# Altium PCB NG2093.PcbDoc (part 1 of 8)
Units mm, origin at the board's own origin, x right, y up, seen from the top; angles counter-clockwise.
Board outline 125 x 63 mm, 6 copper layers (Top Copper, Signal Layer 1, Signal Layer 2, Signal Layer 3, Signal Layer 4, Bottom Copper), stack 1.579 mm thick; 379 components, 295 nets, 1557 pads, 1142 vias.
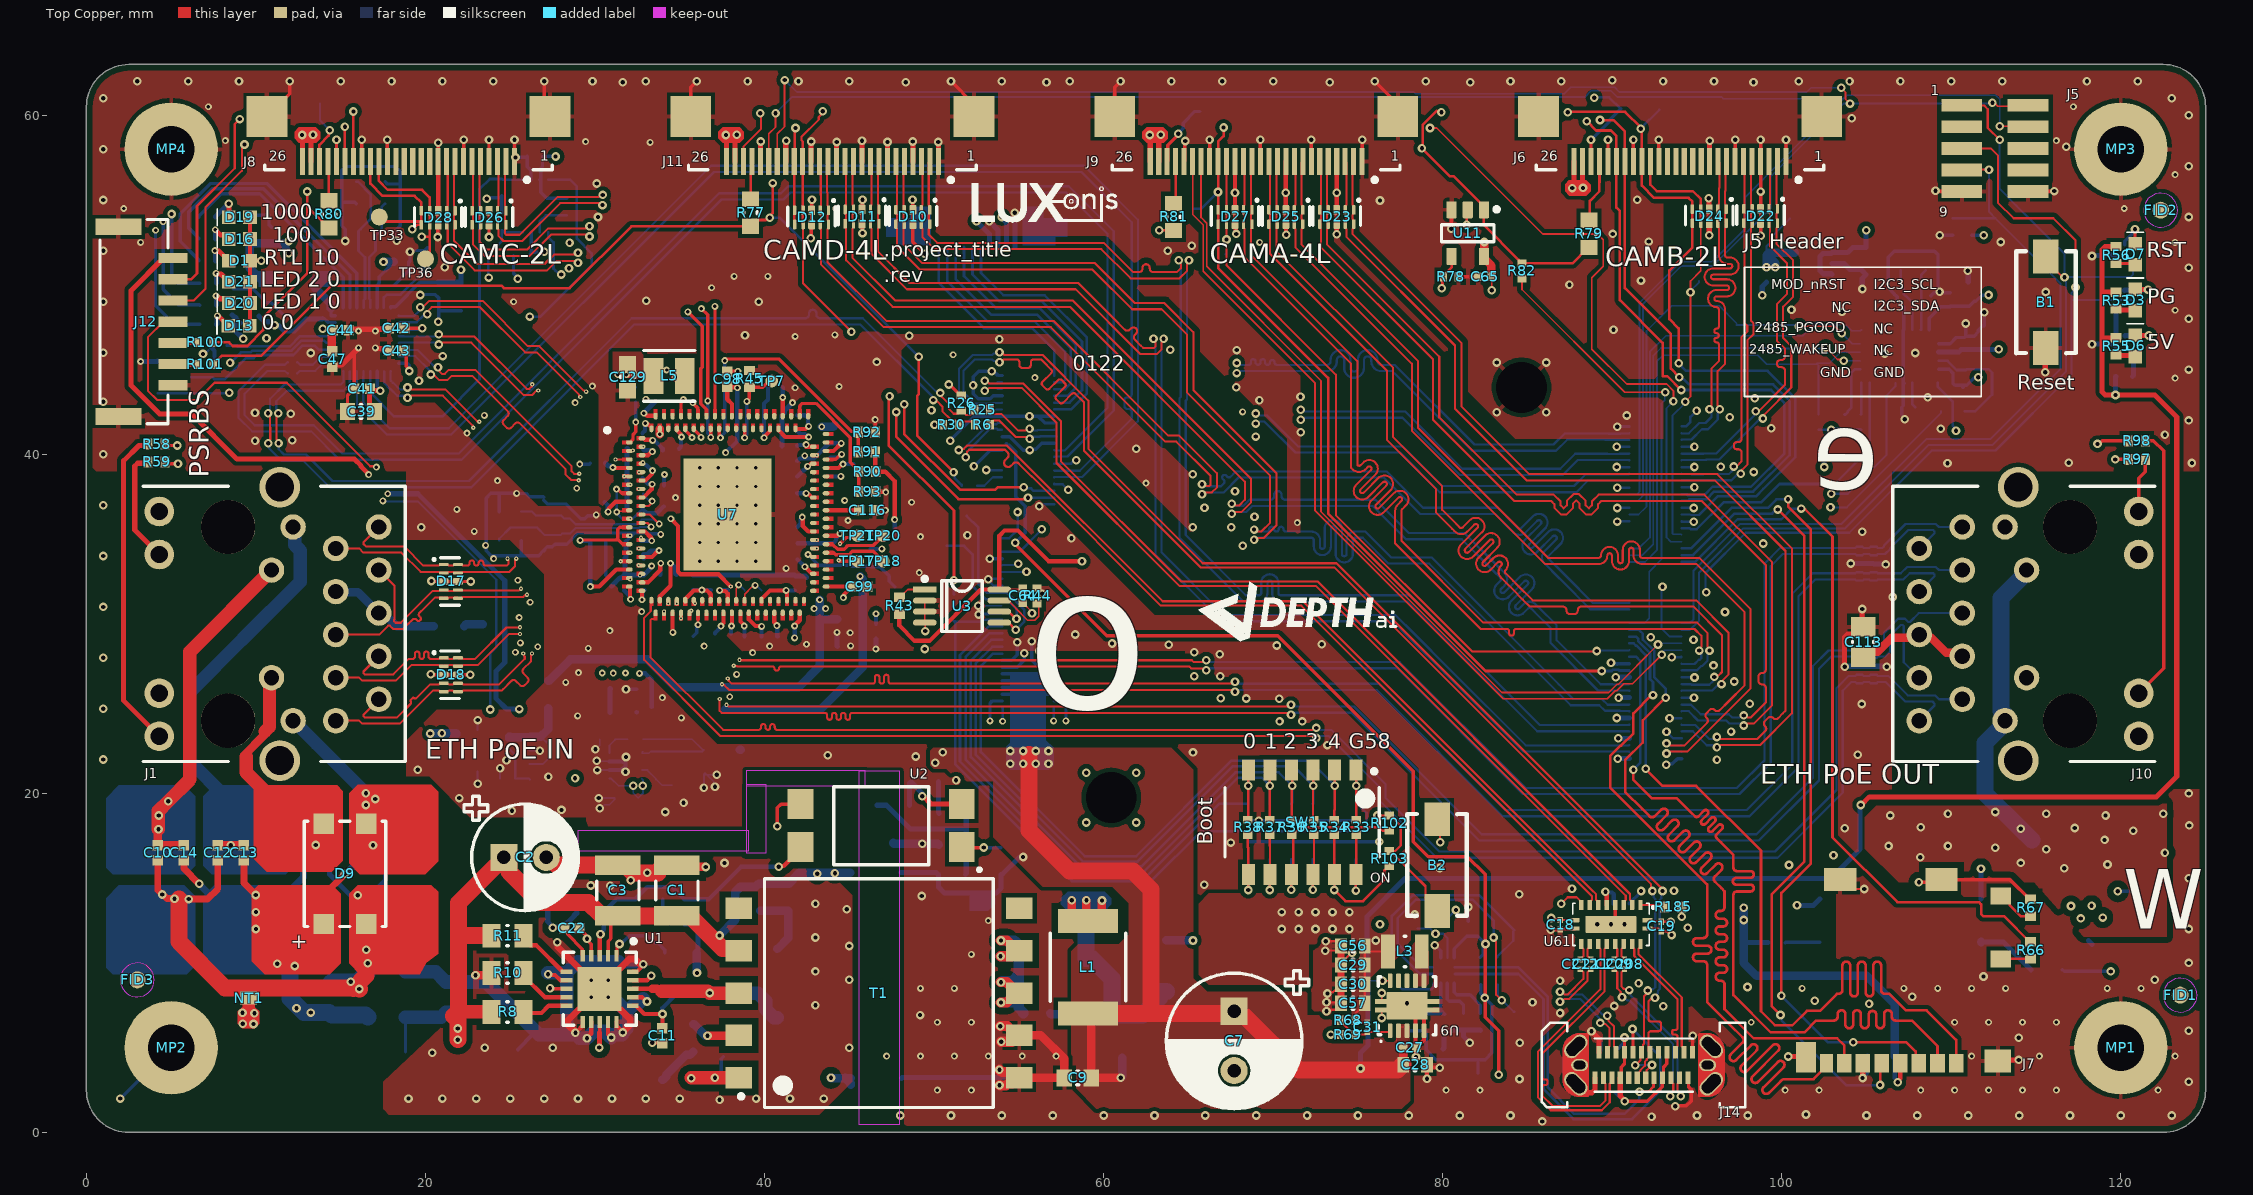
[diagram p0: Top Copper view]
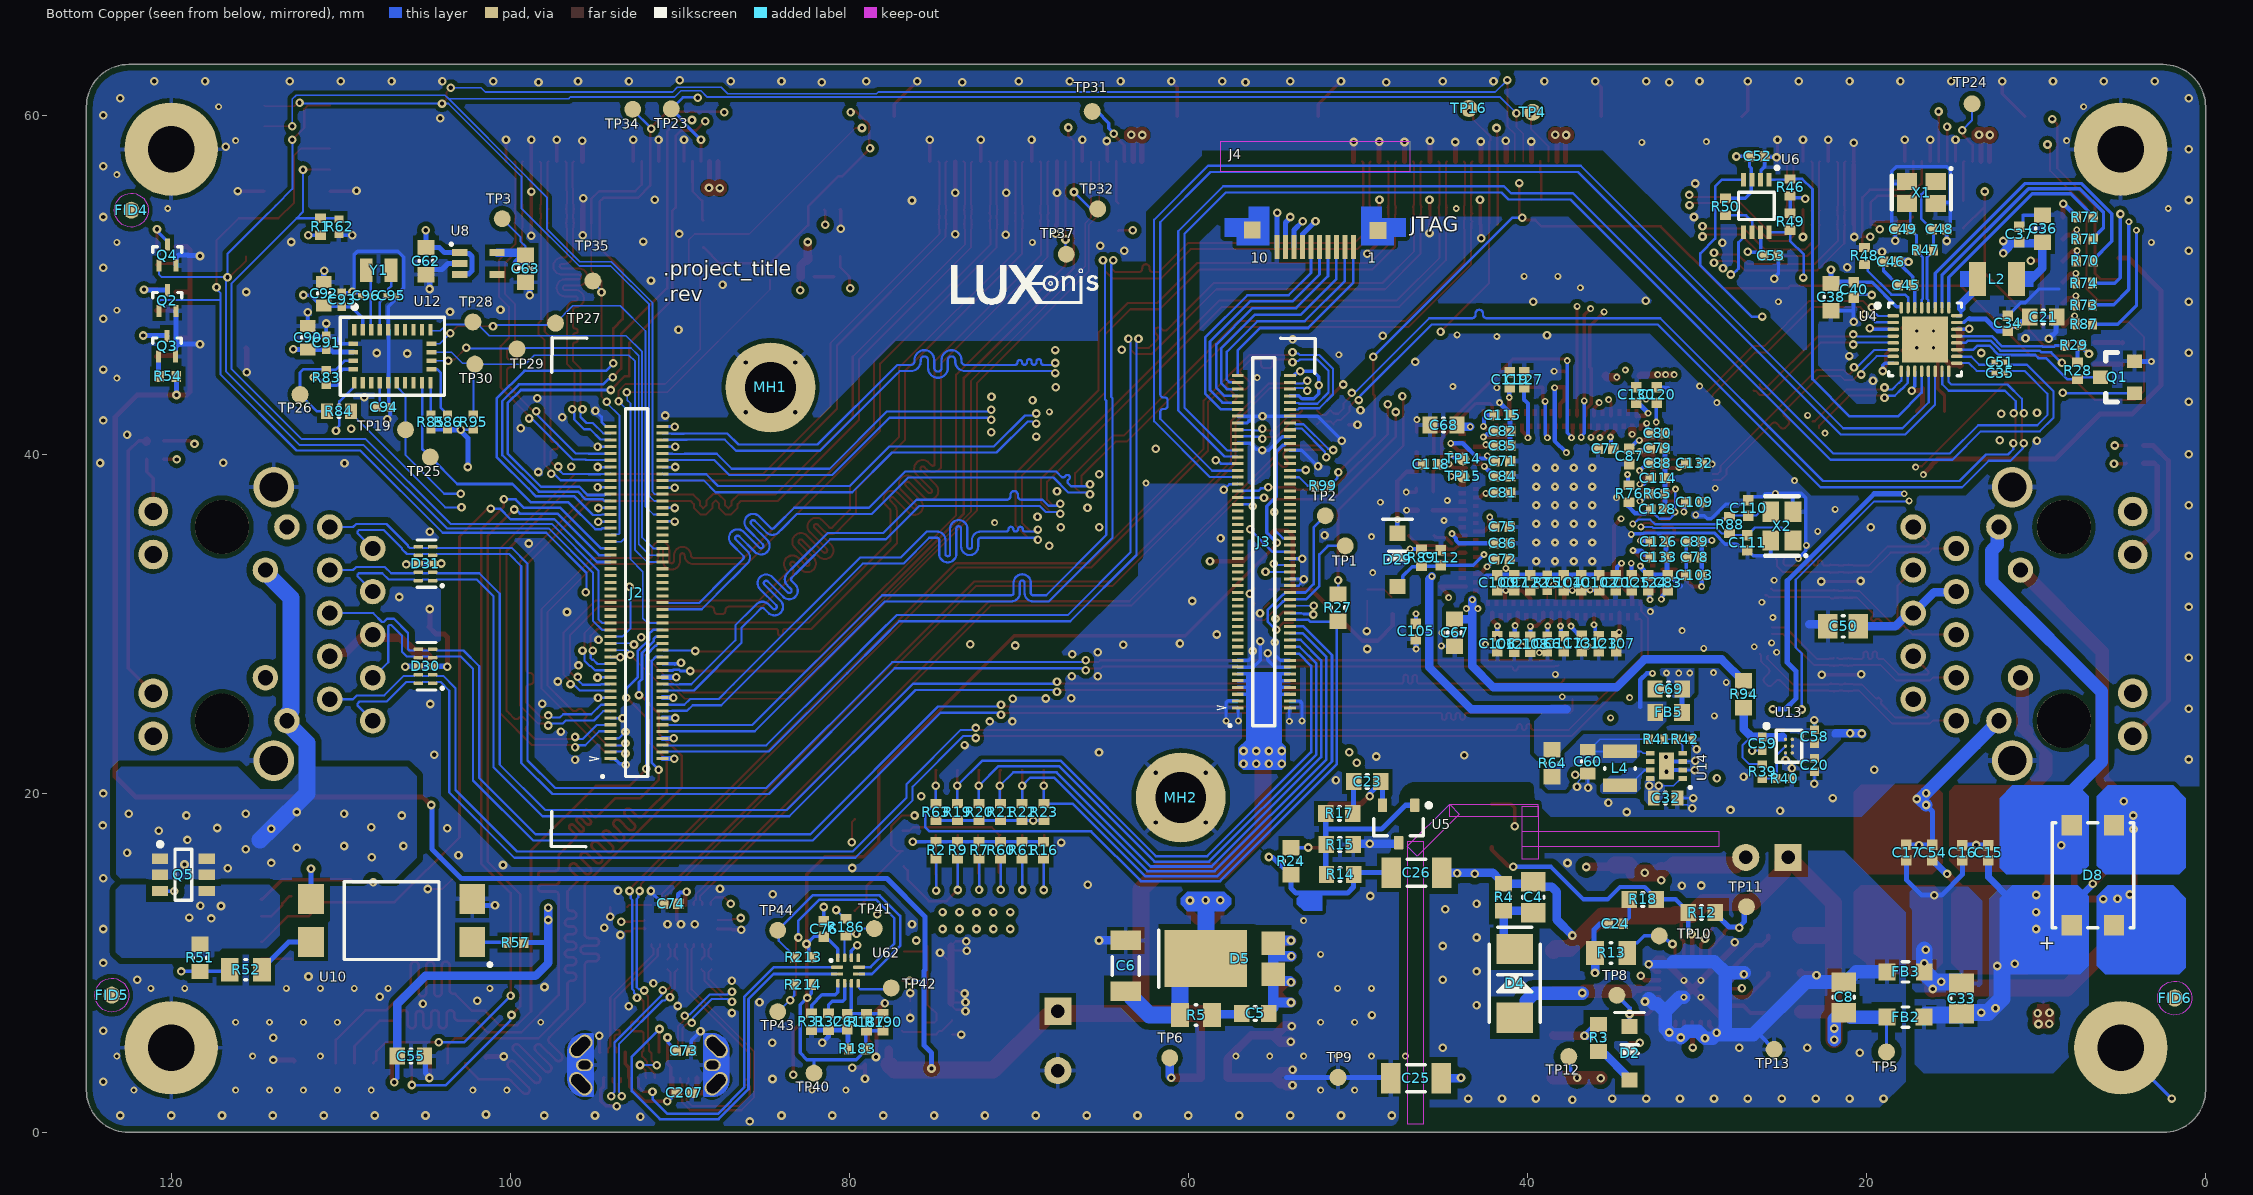
[diagram p1: Bottom Copper view, seen from below]
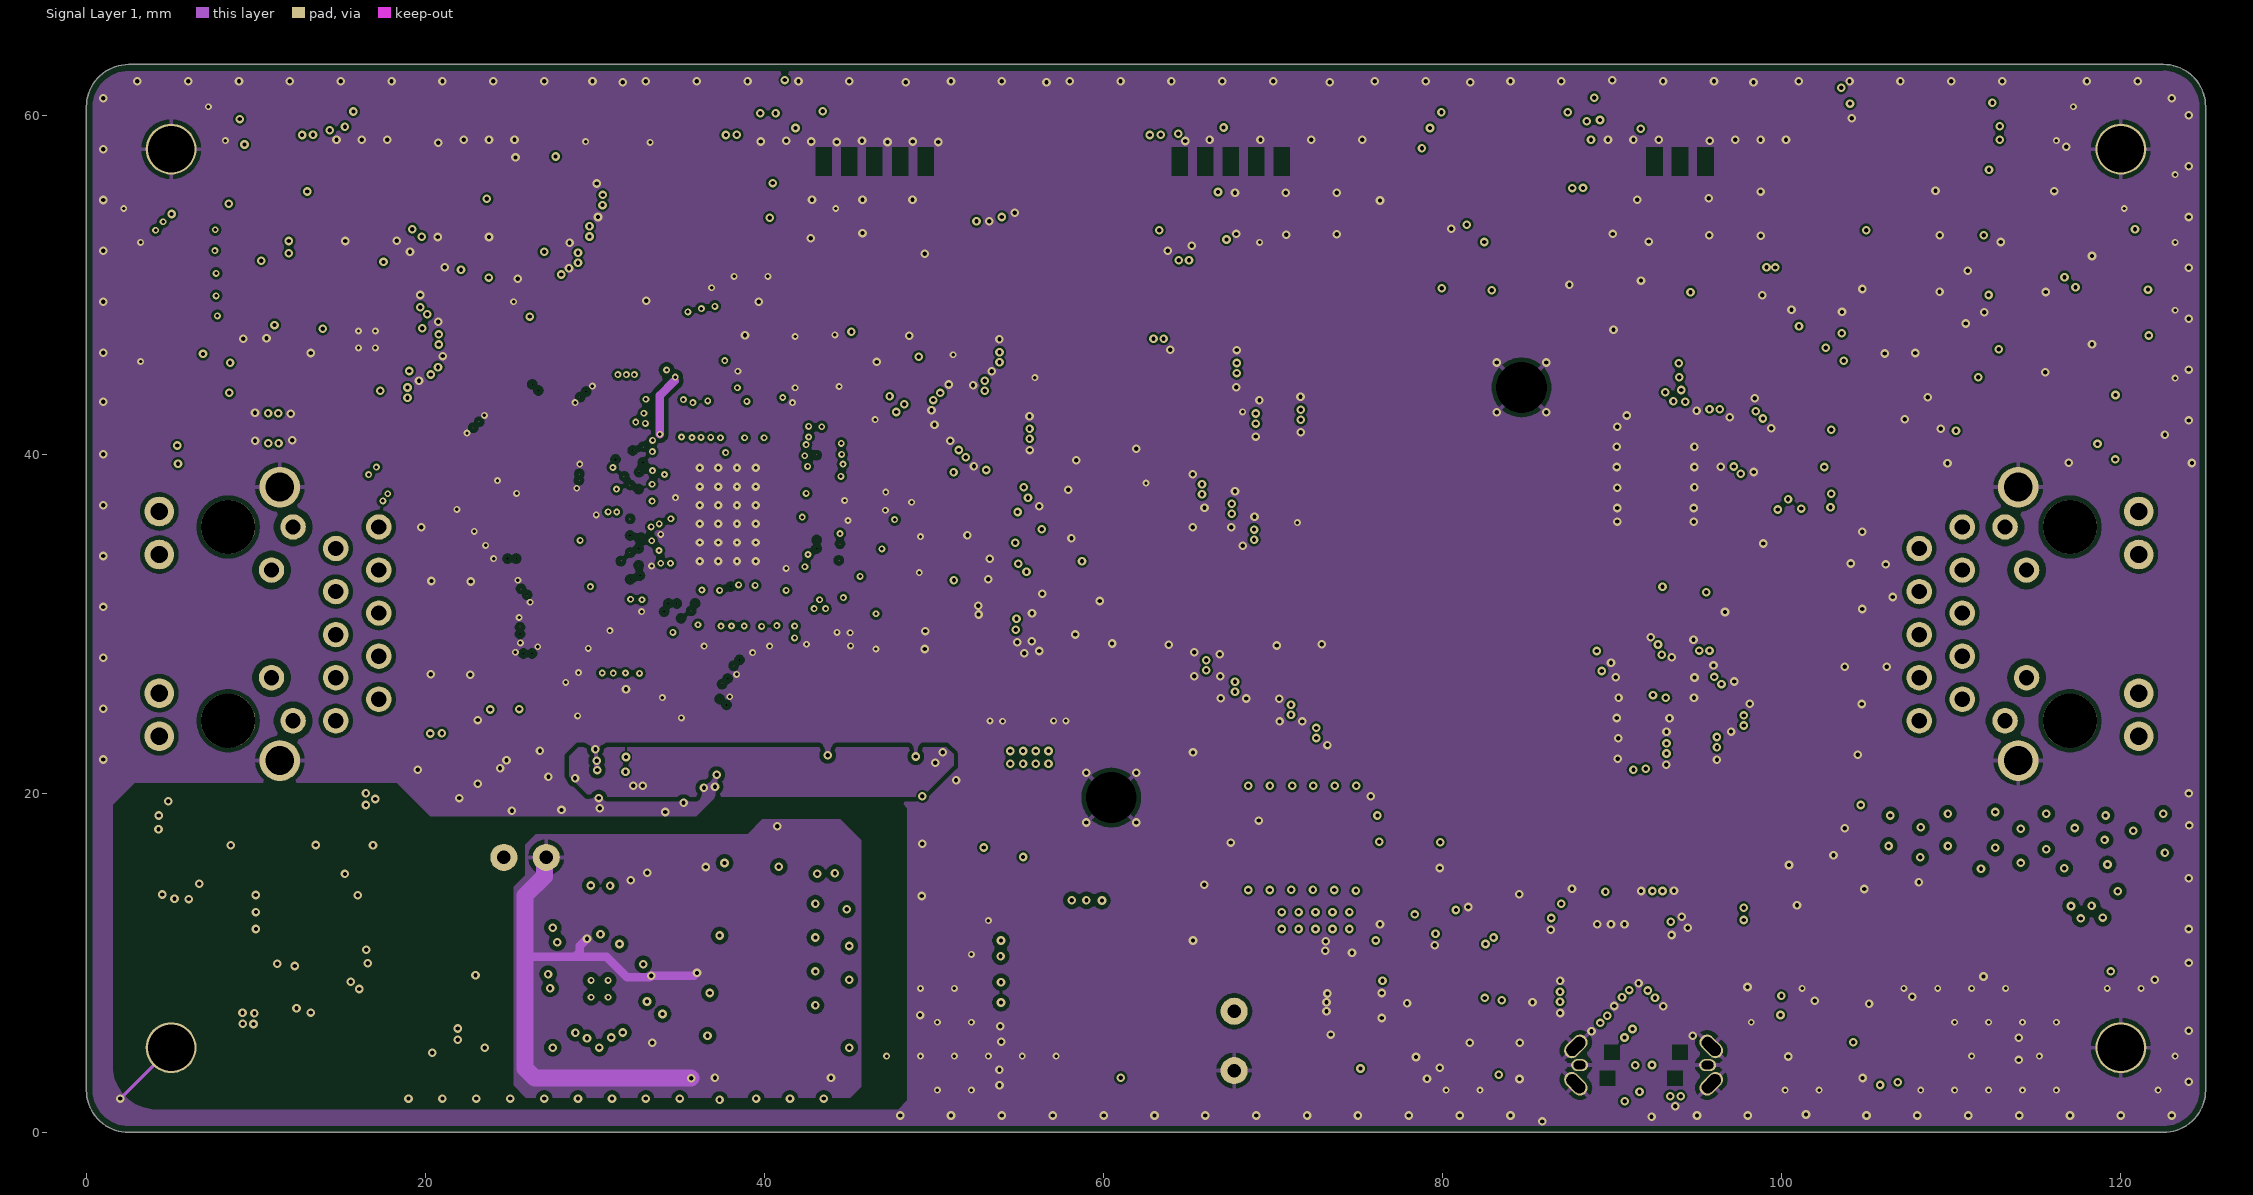
[diagram p2: Signal Layer 1]
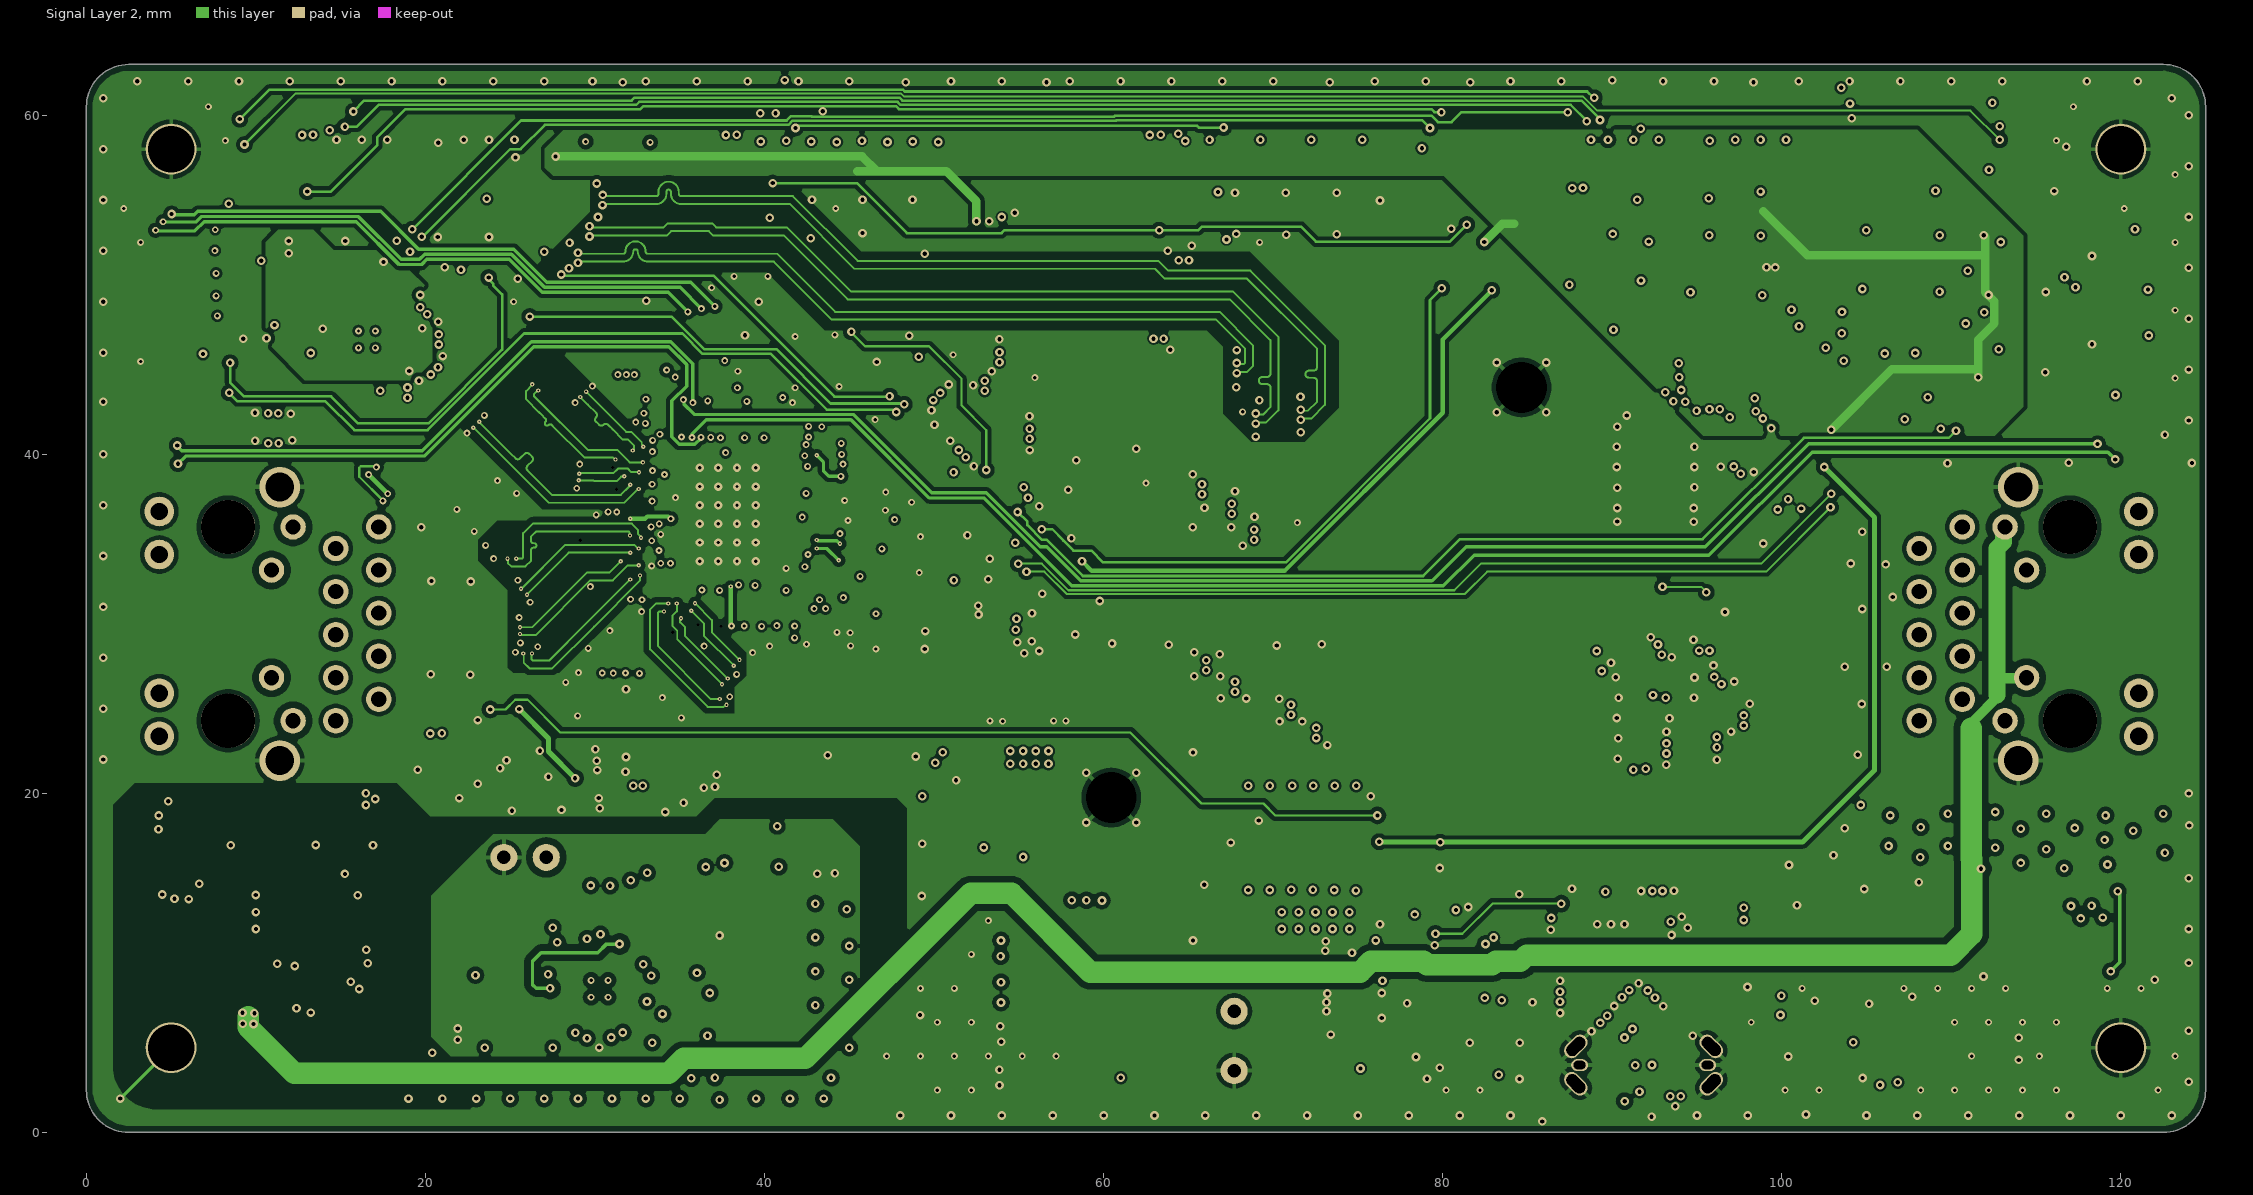
[diagram p3: Signal Layer 2]
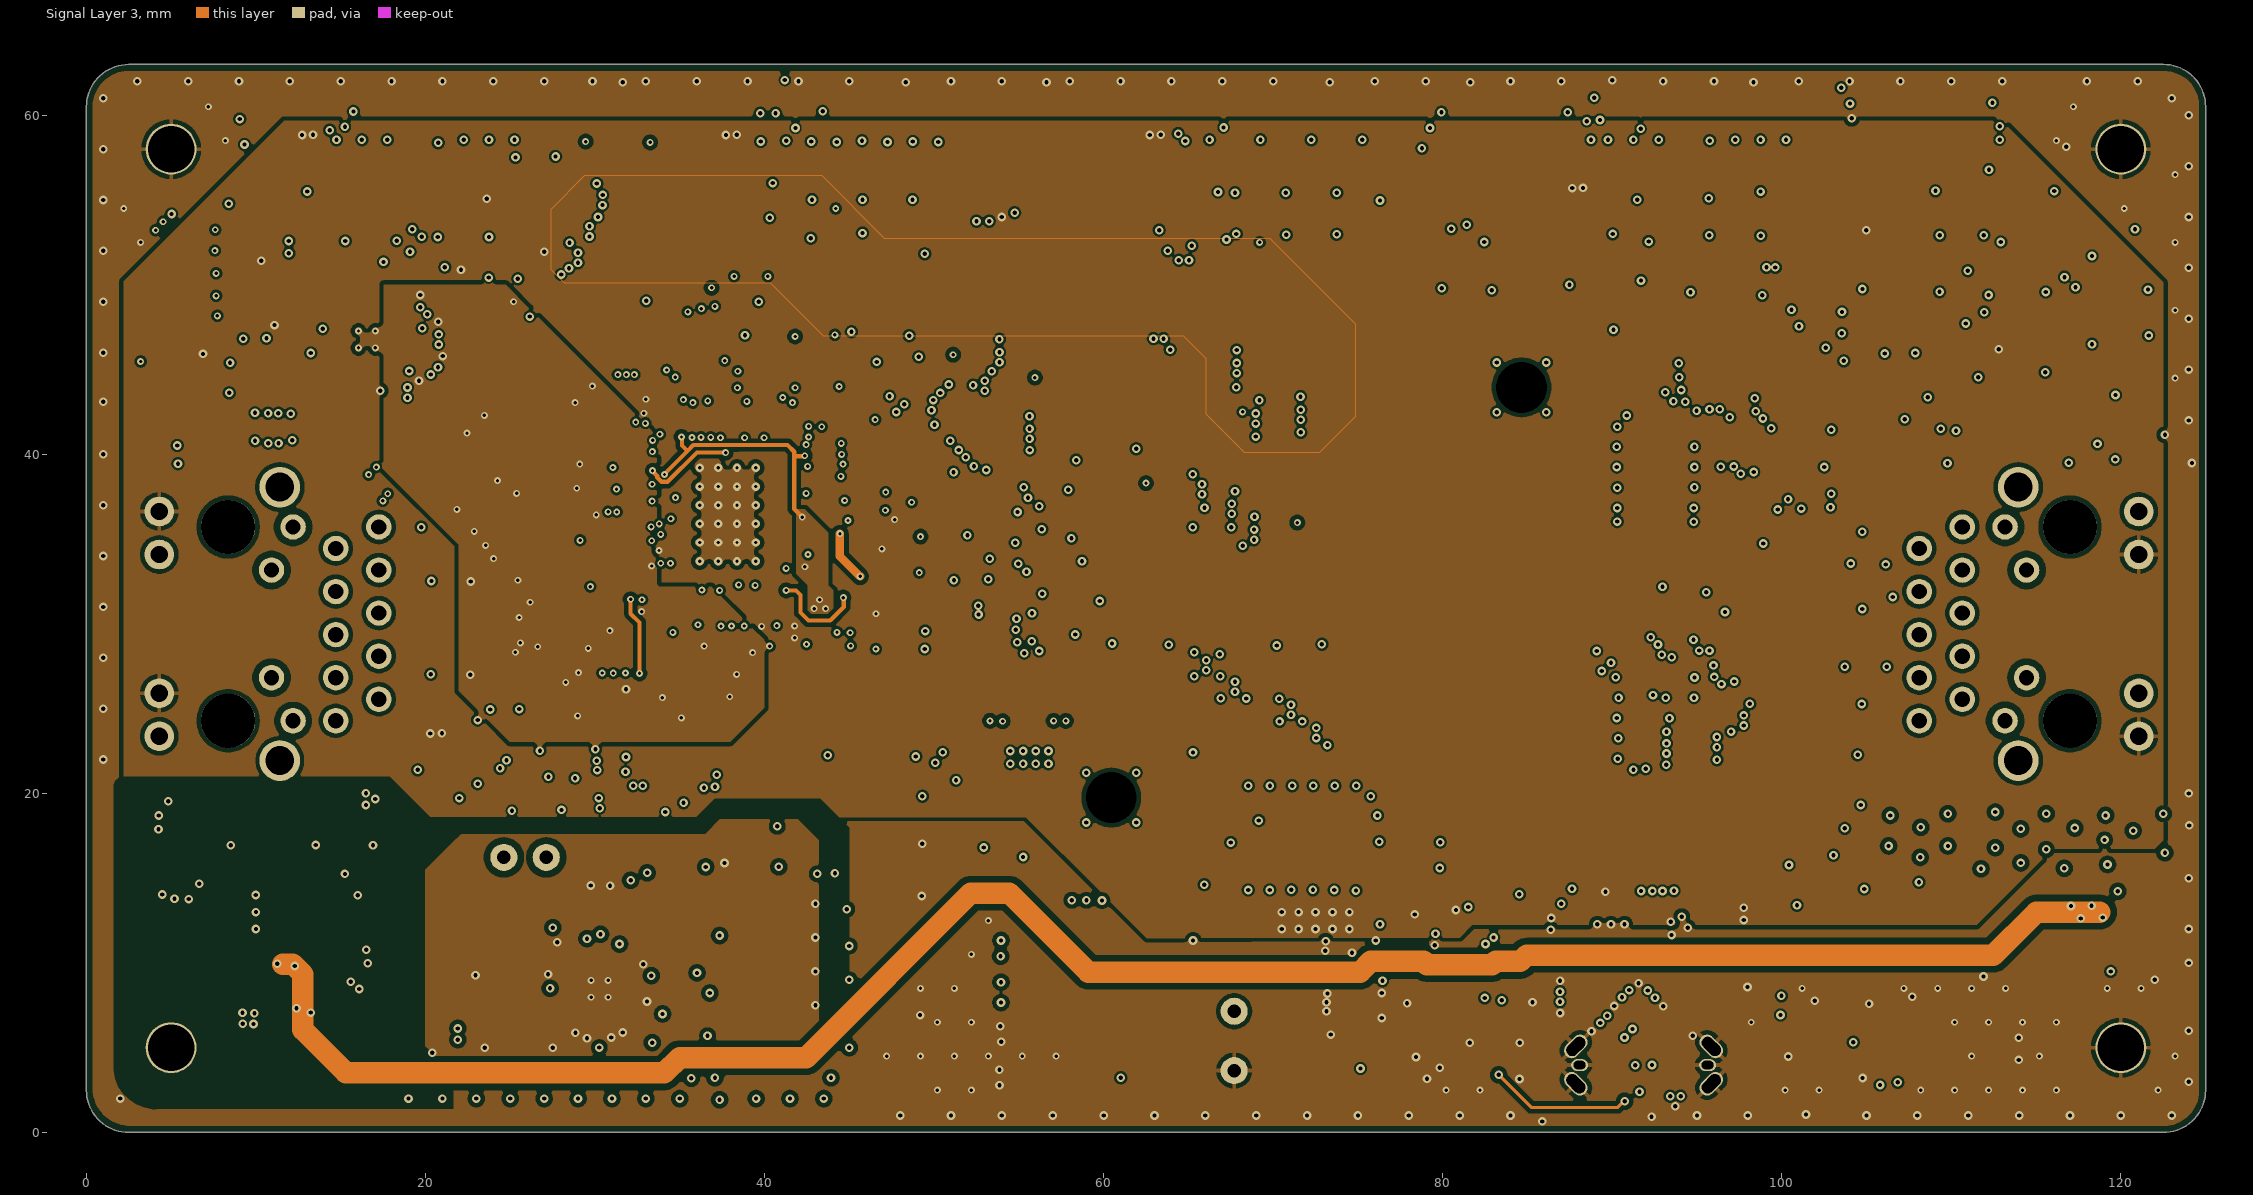
[diagram p4: Signal Layer 3]
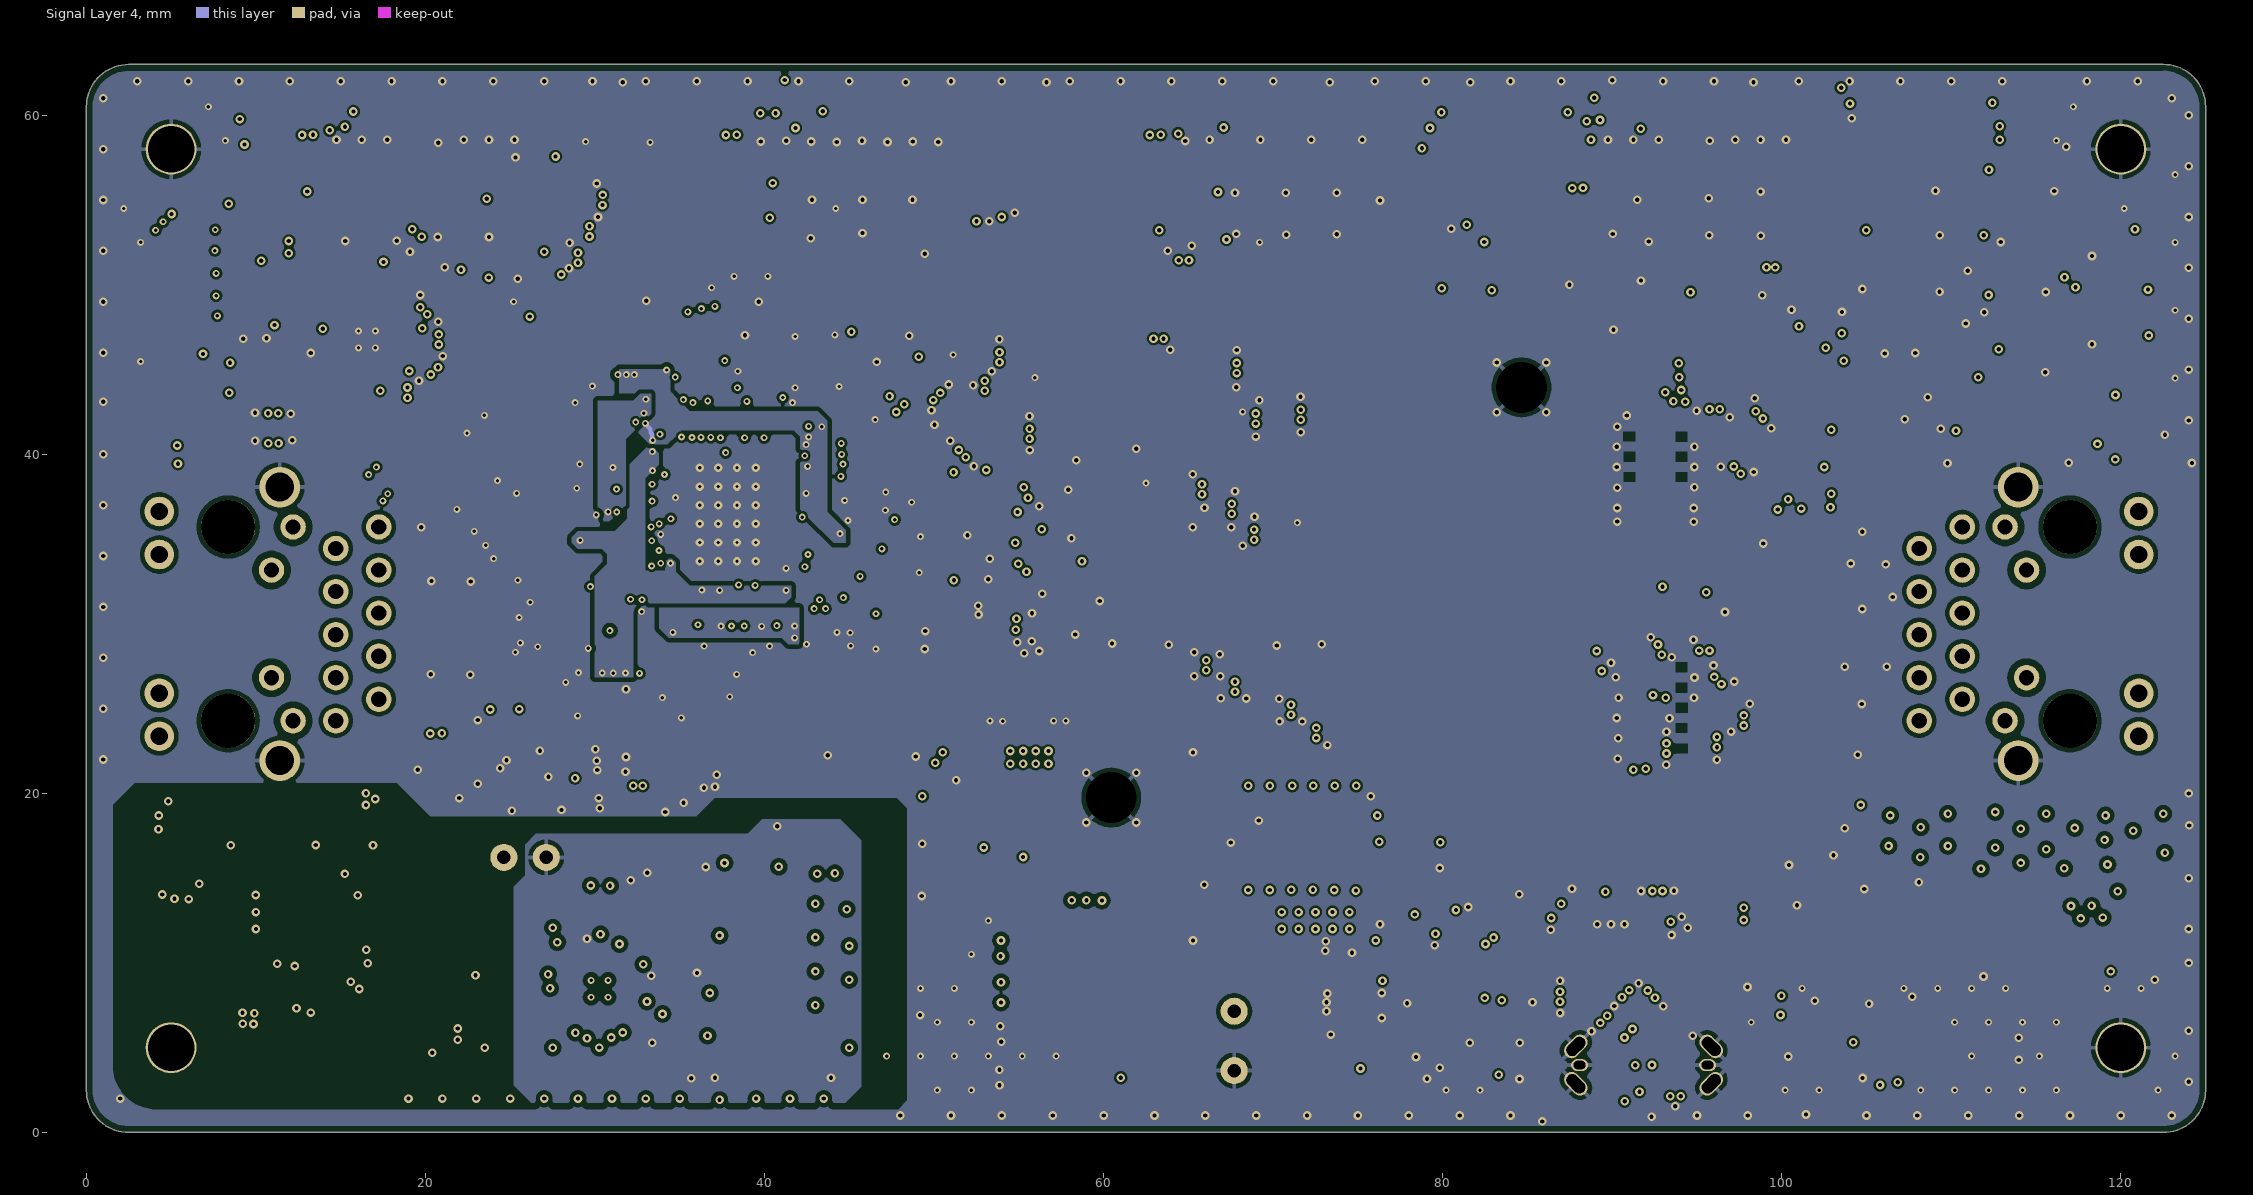
[diagram p5: Signal Layer 4]

## Layer stack, top to bottom
Top Mask: solder mask 0.015, Solder Resist, Dk 3.8
Top Copper: signal copper 0.035
Dielectric 1: prepreg 0.087, 2313, Dk 4.05
Signal Layer 1: signal copper 0.035
Core 1: core 0.55, FR-4, Dk 4.5
Signal Layer 2: signal copper 0.035
Dielectric 2: prepreg 0.123, 2116, Dk 4.25
Signal Layer 3: signal copper 0.0175
Core 2: core 0.55, FR-4, Dk 4.5
Signal Layer 4: signal copper 0.0175
Dielectric 3: prepreg 0.094, 2313, Dk 4.05
Bottom Copper: signal copper 0.035
Bottom Mask: solder mask 0.015, Solder Resist, Dk 3.8

## Board outline
0,2.5 ccw(c2.5,2.5) 2.5,0 122.5,0 ccw(c122.5,2.5) 125,2.5 125,60.5 ccw(c122.5,60.5) 122.5,63 2.5,63 2.5,62.995 ccw(c2.5,60.495) 0,60.495

## Design rules (kind name [scope] priority, off if disabled: settings)
AssemblyTestPointUsage [All] p1: valid=2
BoardOutlineClearance [All] p1: gap=0.381 ignorepadtopadclearanceinfootprint=FALSE
Clearance Diff_Pair_Spacing [(InDifferentialPairClass('All Differential Pairs'))] p1: gap=0.102 ignorepadtopadclearanceinfootprint=TRUE except(0.085: Via-Via; 0.254: SMDPad-Poly THPad-Poly Via-Poly; 0.35: Arc-Poly Track-Poly; 0.508: Fill-Poly Poly-Poly)
Clearance PoE [InNetClass('PoE')] p2: gap=0.254 ignorepadtopadclearanceinfootprint=TRUE except(0.102: Track-SMDPad; 0.203: Arc-Track Track-Track; 0.381: Arc-Poly Track-Poly SMDPad-Poly THPad-Poly Via-Poly Fill-Poly Poly-Poly)
Clearance general [All] p3: gap=0.102 ignorepadtopadclearanceinfootprint=FALSE except(0.085: Via-Via; 0.254: Arc-Poly Track-Poly SMDPad-Poly THPad-Poly Via-Poly Fill-Poly Poly-Poly Poly-Region Poly-Text Poly-Hole)
ComponentClearance [All] p1: gap=0 collisioncheckmode=3 verticalgap=0 showdistances=FALSE
DiffPairsRouting 85ohm [InDifferentialPairClass('85ohm')] p1: maxlimit=0.35 minlimit=0.127 mostfreqgap=0.254 toplayer_mingap=0.13 toplayer_maxgap=0.13 toplayer_prefgap=0.13 toplayer_minwidth=0.125 toplayer_maxwidth=0.125 toplayer_prefwidth=0.125 midlayer2_mingap=0.35 midlayer2_prefgap=0.35 midlayer2_minwidth=0.131 midlayer2_maxwidth=0.131 midlayer2_prefwidth=0.131 bottomlayer_mingap=0.13 bottomlayer_maxgap=0.13 bottomlayer_prefgap=0.13 bottomlayer_minwidth=0.13 bottomlayer_maxwidth=0.13 bottomlayer_prefwidth=0.13 impedanceprofiledriven=TRUE impedanceprofileid={86B41CE9-344F-4982-9283-744235B62342} impedanceprofilevalue=90.000000 maxuncoupledlength=12.7
DiffPairsRouting 90ohm [InDifferentialPairClass('USB3')] p2: maxlimit=0.35 minlimit=0.127 mostfreqgap=0.254 toplayer_mingap=0.13 toplayer_maxgap=0.13 toplayer_prefgap=0.13 toplayer_minwidth=0.125 toplayer_maxwidth=0.125 toplayer_prefwidth=0.125 midlayer2_mingap=0.35 midlayer2_prefgap=0.35 midlayer2_minwidth=0.131 midlayer2_maxwidth=0.131 midlayer2_prefwidth=0.131 bottomlayer_mingap=0.13 bottomlayer_maxgap=0.13 bottomlayer_prefgap=0.13 bottomlayer_minwidth=0.13 bottomlayer_maxwidth=0.13 bottomlayer_prefwidth=0.13 impedanceprofiledriven=TRUE impedanceprofileid={86B41CE9-344F-4982-9283-744235B62342} impedanceprofilevalue=90.000000 maxuncoupledlength=12.7
DiffPairsRouting 100ohm [InDifferentialPairClass('100ohm')] p3: maxlimit=0.35 minlimit=0.127 mostfreqgap=0.254 toplayer_mingap=0.25 toplayer_maxgap=0.25 toplayer_prefgap=0.25 toplayer_minwidth=0.12 toplayer_maxwidth=0.12 toplayer_prefwidth=0.12 midlayer2_mingap=0.35 midlayer2_prefgap=0.35 midlayer2_minwidth=0.115 midlayer2_maxwidth=0.115 midlayer2_prefwidth=0.115 bottomlayer_mingap=0.236 bottomlayer_maxgap=0.236 bottomlayer_prefgap=0.236 bottomlayer_minwidth=0.13 bottomlayer_maxwidth=0.13 bottomlayer_prefwidth=0.13 impedanceprofiledriven=TRUE impedanceprofileid={980D49B1-4842-4C85-BE42-F6056FE0C244} impedanceprofilevalue=100.000000 maxuncoupledlength=12.7
FabricationTestPointUsage [All] p1: valid=2 allowmultiple=FALSE
HoleSize HoleSize_skipVia [IsSkipVia] p1: absolutevalues=TRUE maxlimit=2.54 minlimit=0.1 maxpercent=80.000 minpercent=20.000
HoleSize [All] p2: absolutevalues=TRUE maxlimit=3.81 minlimit=0.2 maxpercent=80.000 minpercent=20.000
HoleToHoleClearance [All] p1: gap=0.254 allowstackedmicrovias=FALSE
MatchedLengths "Schematic Matched Net Lengths" [InNetClass('MIPI_CAM_D')] p1: tolerance=25.4 checknetsindiffpair=TRUE checkdiffpairvsdiffpair=FALSE checkxsignals=FALSE checkothers=FALSE usedelayunits=TRUE delaytolerance=0.500000
MatchedLengths MIPI_D [InNetClass('MIPI_CAM_D')] p2: tolerance=0.127 checknetsindiffpair=FALSE checkdiffpairvsdiffpair=TRUE checkxsignals=TRUE checkothers=TRUE usedelayunits=TRUE delaytolerance=1.000000